# Altium PCB SEG_pressure gauge_don  V2.4.PcbDoc (part 4 of 4)
Units mil, origin at the board's own origin, x right, y up, seen from the top; angles counter-clockwise.
Board outline 2671.27 x 2667.03 mil, 2 copper layers (Top Layer, Bottom Layer); 42 components, 48 nets, 145 pads, 29 vias.
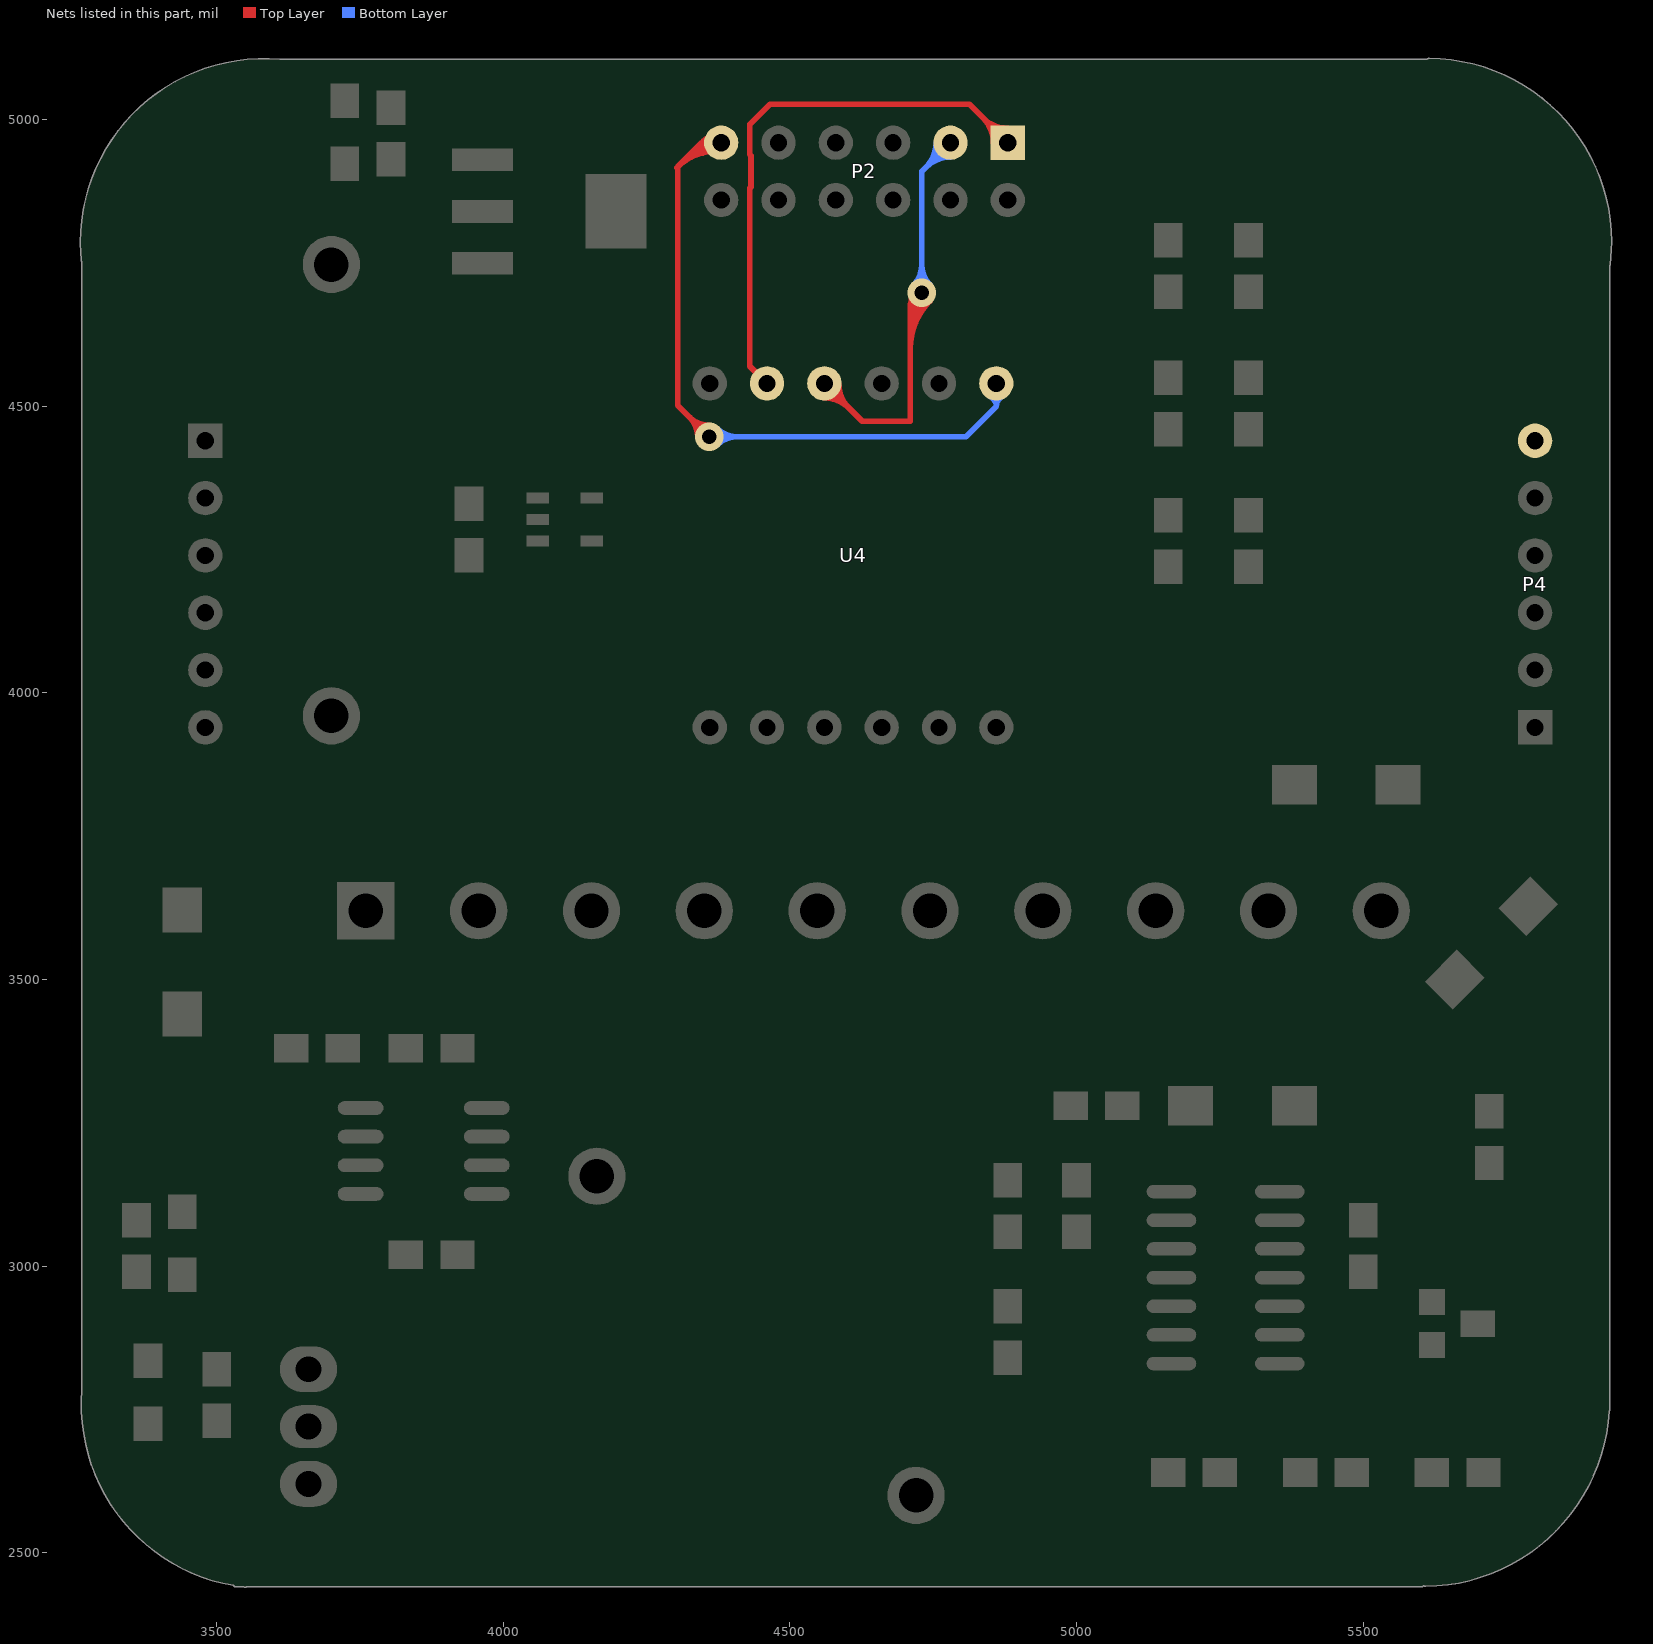
[diagram p4: the nets of this part, all layers, seen from the top]

## Via types
v1: diameter 50, hole 28, Top Layer to Bottom Layer, 21 vias
v2: diameter 31.5, hole 19.68, Top Layer to Bottom Layer, 4 vias
v3: diameter 50, hole 25, Top Layer to Bottom Layer, 2 vias
v4: diameter 31.5, hole 19.68, Top Layer to Bottom Layer, tented top, 2 vias

## Nets (pads, with @x,y where several pads share a name; then routed paths per layer and width w, separated by ;. In a path a pad name is that pad's centre, name@x,y a point inside that pad or via, vN(x,y) a via of type N, cw(c..) or ccw(c..) an arc to the next point about the centre after c; other vN are vias at no path point) (continued)
SEG9: P2.6 U4.1 | length 3938.9
  Top Layer w8: 4316.06,4930.06 cw(c4366.79,4879.34) P2.6@4378.38,4950.13 ; 4316.06,4930.06 cw(c4366.79,4879.34) P2.6@4378.38,4950.13 ; 4316.06,4930.06 cw(c4366.79,4879.34) P2.6@4378.38,4950.13 ; 4316.06,4930.06 cw(c4366.79,4879.34) P2.6@4378.38,4950.13 ; 4316.06,4930.06 cw(c4366.79,4879.34) P2.6@4378.38,4950.13 ; 4323.15,4482.85 cw(c4287.3,4447) v3@4338,4447 ; 4323.15,4482.85 ccw(c4359,4518.7) v3@4359,4468 ; 4323.15,4482.85 cw(c4287.3,4447) v3@4338,4447 ; 4323.15,4482.85 ccw(c4359,4518.7) v3@4359,4468 ; 4323.15,4482.85 cw(c4287.3,4447) v3@4338,4447 ; 4323.15,4482.85 ccw(c4359,4518.7) v3@4359,4468 ; 4323.15,4482.85 ccw(c4359,4518.7) v3@4359,4468 ; 4323.15,4482.85 cw(c4287.3,4447) v3@4338,4447 ; 4323.15,4482.85 ccw(c4359,4518.7) v3@4359,4468 ; 4323.15,4482.85 cw(c4287.3,4447) v3@4338,4447 ; 4327.09,4941.09 cw(c4369.89,4898.3) P2.6@4379.68,4958.03 ; 4327.09,4941.09 cw(c4369.89,4898.3) P2.6@4379.68,4958.03 ; 4327.09,4941.09 cw(c4369.89,4898.3) P2.6@4379.68,4958.03 ; 4327.09,4941.09 cw(c4369.89,4898.3) P2.6@4379.68,4958.03 ; 4327.09,4941.09 cw(c4369.89,4898.3) P2.6@4379.68,4958.03 ; 4336.81,4469.19 cw(c4314.62,4447) v3@4346,4447 ; 4336.81,4469.19 ccw(c4359,4491.38) v3@4359,4460 ; 4336.81,4469.19 cw(c4314.62,4447) v3@4346,4447 ; 4336.81,4469.19 ccw(c4359,4491.38) v3@4359,4460 ; 4336.81,4469.19 cw(c4314.62,4447) v3@4346,4447 ; 4336.81,4469.19 ccw(c4359,4491.38) v3@4359,4460 ; 4336.81,4469.19 ccw(c4359,4491.38) v3@4359,4460 ; 4336.81,4469.19 cw(c4314.62,4447) v3@4346,4447 ; 4336.81,4469.19 ccw(c4359,4491.38) v3@4359,4460 ; 4336.81,4469.19 cw(c4314.62,4447) v3@4346,4447 ; 4338.12,4952.12 cw(c4373,4917.25) P2.6@4380.97,4965.92 ; 4338.12,4952.12 cw(c4373,4917.25) P2.6@4380.97,4965.92 ; 4338.12,4952.12 cw(c4373,4917.25) P2.6@4380.97,4965.92 ; 4338.12,4952.12 cw(c4373,4917.25) P2.6@4380.97,4965.92 ; 4338.12,4952.12 cw(c4373,4917.25) P2.6@4380.97,4965.92
  Top Layer w10: 4302.5,4916.5 cw(c4371.99,4847.01) P2.6@4378.94,4945.04 ; 4318,4932 cw(c4374.04,4875.95) P2.6@4379.65,4955.01 ; 4333.49,4947.49 cw(c4376.09,4904.89) P2.6@4380.35,4964.99 ; v3@4339,4447 ccw(c4290.72,4447) 4324.86,4481.14 ccw(c4359,4515.28) v3@4359,4467 ; 4348.99,4962.99 cw(c4378.15,4933.83) P2.6@4381.06,4974.96 ; v3(4359,4447) 4304,4502 4304,4918 4346,4960 P2.6@4380,4960
  Bottom Layer w8: v3@4368.19,4437.81 cw(c4390.38,4415.62) 4390.38,4447 ; v3@4368.19,4437.81 cw(c4390.38,4415.62) 4390.38,4447 ; v3@4368.19,4437.81 cw(c4390.38,4415.62) 4390.38,4447 ; v3@4368.19,4437.81 cw(c4390.38,4415.62) 4390.38,4447 ; v3@4368.19,4437.81 cw(c4390.38,4415.62) 4390.38,4447 ; v3@4368.19,4456.19 ccw(c4390.38,4478.38) 4390.38,4447 ; v3@4368.19,4456.19 ccw(c4390.38,4478.38) 4390.38,4447 ; v3@4368.19,4456.19 ccw(c4390.38,4478.38) 4390.38,4447 ; v3@4368.19,4456.19 ccw(c4390.38,4478.38) 4390.38,4447 ; v3@4368.19,4456.19 ccw(c4390.38,4478.38) 4390.38,4447 ; v3@4373.85,4432.15 cw(c4409.7,4396.3) 4409.7,4447 ; v3@4373.85,4432.15 cw(c4409.7,4396.3) 4409.7,4447 ; v3@4373.85,4432.15 cw(c4409.7,4396.3) 4409.7,4447 ; v3@4373.85,4432.15 cw(c4409.7,4396.3) 4409.7,4447 ; v3@4373.85,4432.15 cw(c4409.7,4396.3) 4409.7,4447 ; v3@4373.85,4461.85 ccw(c4409.7,4497.7) 4409.7,4447 ; v3@4373.85,4461.85 ccw(c4409.7,4497.7) 4409.7,4447 ; v3@4373.85,4461.85 ccw(c4409.7,4497.7) 4409.7,4447 ; v3@4373.85,4461.85 ccw(c4409.7,4497.7) 4409.7,4447 ; v3@4373.85,4461.85 ccw(c4409.7,4497.7) 4409.7,4447 ; U4.1@4849.45,4516.24 cw(c4842.23,4500) 4860,4500 ; U4.1@4849.45,4516.24 cw(c4842.23,4500) 4860,4500 ; U4.1@4849.45,4516.24 cw(c4842.23,4500) 4860,4500 ; U4.1@4849.45,4516.24 cw(c4842.23,4500) 4860,4500 ; U4.1@4849.45,4516.24 cw(c4842.23,4500) 4860,4500 ; 4860,4500 cw(c4877.77,4500) U4.1@4870.55,4516.24 ; 4860,4500 cw(c4877.77,4500) U4.1@4870.55,4516.24 ; 4860,4500 cw(c4877.77,4500) U4.1@4870.55,4516.24 ; 4860,4500 cw(c4877.77,4500) U4.1@4870.55,4516.24 ; 4860,4500 cw(c4877.77,4500) U4.1@4870.55,4516.24
  Bottom Layer w10: v3(4359,4447) 4807,4447 4860,4500 ; v3@4373.14,4432.86 cw(c4407.28,4398.72) 4407.28,4447 cw(c4407.28,4495.28) v3@4373.14,4461.14 ; U4.1@4849.05,4517.53 cw(c4840.5,4500) 4860,4500 ; U4.1@4860,4540 4860,4500 ; U4.1@4870.95,4517.53 ccw(c4879.5,4500) 4860,4500
SEG10: P2.2 U4.2 | length 5215
  Top Layer w8: U4.2@4560,4514 cw(c4560,4451.23) 4604.38,4495.62 ; U4.2@4560,4514 cw(c4560,4451.23) 4604.38,4495.62 ; U4.2@4560,4514 cw(c4560,4451.23) 4604.38,4495.62 ; U4.2@4560,4514 cw(c4560,4451.23) 4604.38,4495.62 ; U4.2@4560,4514 cw(c4560,4451.23) 4604.38,4495.62 ; U4.2@4560,4522 cw(c4560,4478.54) 4590.73,4509.27 ; U4.2@4560,4522 cw(c4560,4478.54) 4590.73,4509.27 ; U4.2@4560,4522 cw(c4560,4478.54) 4590.73,4509.27 ; U4.2@4560,4522 cw(c4560,4478.54) 4590.73,4509.27 ; U4.2@4560,4522 cw(c4560,4478.54) 4590.73,4509.27 ; U4.2@4578,4540 ccw(c4621.46,4540) 4590.73,4509.27 ; U4.2@4578,4540 ccw(c4621.46,4540) 4590.73,4509.27 ; U4.2@4578,4540 ccw(c4621.46,4540) 4590.73,4509.27 ; U4.2@4578,4540 ccw(c4621.46,4540) 4590.73,4509.27 ; U4.2@4578,4540 ccw(c4621.46,4540) 4590.73,4509.27 ; U4.2@4586,4540 ccw(c4648.77,4540) 4604.38,4495.62 ; U4.2@4586,4540 ccw(c4648.77,4540) 4604.38,4495.62 ; U4.2@4586,4540 ccw(c4648.77,4540) 4604.38,4495.62 ; U4.2@4586,4540 ccw(c4648.77,4540) 4604.38,4495.62 ; U4.2@4586,4540 ccw(c4648.77,4540) 4604.38,4495.62 ; 4710,4599.02 cw(c4828.98,4599.02) v3@4744.85,4683.15 ; 4710,4599.02 cw(c4828.98,4599.02) v3@4744.85,4683.15 ; 4710,4599.02 cw(c4828.98,4599.02) v3@4744.85,4683.15 ; 4710,4599.02 cw(c4828.98,4599.02) v3@4744.85,4683.15 ; 4710,4599.02 cw(c4828.98,4599.02) v3@4744.85,4683.15 ; 4710,4618.33 cw(c4809.67,4618.33) v3@4739.19,4688.81 ; 4710,4618.33 cw(c4809.67,4618.33) v3@4739.19,4688.81 ; 4710,4618.33 cw(c4809.67,4618.33) v3@4739.19,4688.81 ; 4710,4618.33 cw(c4809.67,4618.33) v3@4739.19,4688.81 ; 4710,4618.33 cw(c4809.67,4618.33) v3@4739.19,4688.81 ; 4710,4637.64 cw(c4790.36,4637.64) v3@4733.54,4694.46 ; 4710,4637.64 cw(c4790.36,4637.64) v3@4733.54,4694.46 ; 4710,4637.64 cw(c4790.36,4637.64) v3@4733.54,4694.46 ; 4710,4637.64 cw(c4790.36,4637.64) v3@4733.54,4694.46 ; 4710,4637.64 cw(c4790.36,4637.64) v3@4733.54,4694.46 ; 4710,4656.96 cw(c4771.04,4656.96) v3@4727.88,4700.12 ; 4710,4656.96 cw(c4771.04,4656.96) v3@4727.88,4700.12 ; 4710,4656.96 cw(c4771.04,4656.96) v3@4727.88,4700.12 ; 4710,4656.96 cw(c4771.04,4656.96) v3@4727.88,4700.12 ; 4710,4656.96 cw(c4771.04,4656.96) v3@4727.88,4700.12 ; 4710,4676.27 cw(c4751.73,4676.27) v3@4722.22,4705.78 ; 4710,4676.27 cw(c4751.73,4676.27) v3@4722.22,4705.78 ; 4710,4676.27 cw(c4751.73,4676.27) v3@4722.22,4705.78 ; 4710,4676.27 cw(c4751.73,4676.27) v3@4722.22,4705.78 ; 4710,4676.27 cw(c4751.73,4676.27) v3@4722.22,4705.78
  Top Layer w10: U4.2@4560,4515 cw(c4560,4454.64) 4602.68,4497.32 cw(c4645.36,4540) U4.2@4585,4540 ; U4.2@4560,4525 cw(c4560,4488.79) 4585.61,4514.39 cw(c4611.21,4540) U4.2@4575,4540 ; U4.2@4560,4540 4626,4474 4710,4474 4710,4678 v3(4730,4698) ccw(c4778.28,4649.72) 4710,4649.72 ; 4710,4601.43 cw(c4826.57,4601.43) v3@4744.14,4683.86 ; 4710,4625.57 cw(c4802.43,4625.57) v3@4737.07,4690.93 ; 4710,4673.86 cw(c4754.14,4673.86) v3@4722.93,4705.07
  Bottom Layer w8: v3@4715.15,4712.85 ccw(c4679.3,4748.7) 4730,4748.7 ; v3@4715.15,4712.85 ccw(c4679.3,4748.7) 4730,4748.7 ; v3@4715.15,4712.85 ccw(c4679.3,4748.7) 4730,4748.7 ; v3@4715.15,4712.85 ccw(c4679.3,4748.7) 4730,4748.7 ; v3@4715.15,4712.85 ccw(c4679.3,4748.7) 4730,4748.7 ; v3@4720.81,4707.19 ccw(c4698.62,4729.38) 4730,4729.38 ; v3@4720.81,4707.19 ccw(c4698.62,4729.38) 4730,4729.38 ; v3@4720.81,4707.19 ccw(c4698.62,4729.38) 4730,4729.38 ; v3@4720.81,4707.19 ccw(c4698.62,4729.38) 4730,4729.38 ; v3@4720.81,4707.19 ccw(c4698.62,4729.38) 4730,4729.38 ; 4730,4729.38 ccw(c4761.38,4729.38) v3@4739.19,4707.19 ; 4730,4729.38 ccw(c4761.38,4729.38) v3@4739.19,4707.19 ; 4730,4729.38 ccw(c4761.38,4729.38) v3@4739.19,4707.19 ; 4730,4729.38 ccw(c4761.38,4729.38) v3@4739.19,4707.19 ; 4730,4729.38 ccw(c4761.38,4729.38) v3@4739.19,4707.19 ; 4730,4748.7 ccw(c4780.7,4748.7) v3@4744.85,4712.85 ; 4730,4748.7 ccw(c4780.7,4748.7) v3@4744.85,4712.85 ; 4730,4748.7 ccw(c4780.7,4748.7) v3@4744.85,4712.85 ; 4730,4748.7 ccw(c4780.7,4748.7) v3@4744.85,4712.85 ; 4730,4748.7 ccw(c4780.7,4748.7) v3@4744.85,4712.85 ; 4735.62,4915.62 cw(c4780,4871.23) P2.2@4780,4934 ; 4735.62,4915.62 ccw(c4691.23,4960) P2.2@4754,4960 ; 4735.62,4915.62 cw(c4780,4871.23) P2.2@4780,4934 ; 4735.62,4915.62 ccw(c4691.23,4960) P2.2@4754,4960 ; 4735.62,4915.62 cw(c4780,4871.23) P2.2@4780,4934 ; 4735.62,4915.62 ccw(c4691.23,4960) P2.2@4754,4960 ; 4735.62,4915.62 ccw(c4691.23,4960) P2.2@4754,4960 ; 4735.62,4915.62 cw(c4780,4871.23) P2.2@4780,4934 ; 4735.62,4915.62 ccw(c4691.23,4960) P2.2@4754,4960 ; 4735.62,4915.62 cw(c4780,4871.23) P2.2@4780,4934 ; 4749.27,4929.27 cw(c4780,4898.54) P2.2@4780,4942 ; 4749.27,4929.27 ccw(c4718.54,4960) P2.2@4762,4960 ; 4749.27,4929.27 cw(c4780,4898.54) P2.2@4780,4942 ; 4749.27,4929.27 ccw(c4718.54,4960) P2.2@4762,4960 ; 4749.27,4929.27 cw(c4780,4898.54) P2.2@4780,4942 ; 4749.27,4929.27 ccw(c4718.54,4960) P2.2@4762,4960 ; 4749.27,4929.27 ccw(c4718.54,4960) P2.2@4762,4960 ; 4749.27,4929.27 cw(c4780,4898.54) P2.2@4780,4942 ; 4749.27,4929.27 ccw(c4718.54,4960) P2.2@4762,4960 ; 4749.27,4929.27 cw(c4780,4898.54) P2.2@4780,4942
  Bottom Layer w10: v3@4715.86,4712.14 ccw(c4681.72,4746.28) 4730,4746.28 ccw(c4778.28,4746.28) v3@4744.14,4712.14 ; v3(4730,4698) 4730,4910 P2.2@4780,4960 ; P2.2@4755,4960 cw(c4694.64,4960) 4737.32,4917.32 cw(c4780,4874.64) P2.2@4780,4935 ; P2.2@4765,4960 cw(c4728.79,4960) 4754.39,4934.39 cw(c4780,4908.79) P2.2@4780,4945
SEG11: P2.1 U4.3 | length 1944.3
  Top Layer w8: 4835.62,5004.38 cw(c4791.23,4960) P2.1@4854,4960 ; 4835.62,5004.38 ccw(c4880,5048.77) P2.1@4880,4986 ; 4835.62,5004.38 cw(c4791.23,4960) P2.1@4854,4960 ; 4835.62,5004.38 ccw(c4880,5048.77) P2.1@4880,4986 ; 4835.62,5004.38 cw(c4791.23,4960) P2.1@4854,4960 ; 4835.62,5004.38 ccw(c4880,5048.77) P2.1@4880,4986 ; 4835.62,5004.38 ccw(c4880,5048.77) P2.1@4880,4986 ; 4835.62,5004.38 cw(c4791.23,4960) P2.1@4854,4960 ; 4835.62,5004.38 ccw(c4880,5048.77) P2.1@4880,4986 ; 4835.62,5004.38 cw(c4791.23,4960) P2.1@4854,4960 ; 4849.27,4990.73 cw(c4818.54,4960) P2.1@4862,4960 ; 4849.27,4990.73 ccw(c4880,5021.46) P2.1@4880,4978 ; 4849.27,4990.73 cw(c4818.54,4960) P2.1@4862,4960 ; 4849.27,4990.73 ccw(c4880,5021.46) P2.1@4880,4978 ; 4849.27,4990.73 cw(c4818.54,4960) P2.1@4862,4960 ; 4849.27,4990.73 ccw(c4880,5021.46) P2.1@4880,4978 ; 4849.27,4990.73 ccw(c4880,5021.46) P2.1@4880,4978 ; 4849.27,4990.73 cw(c4818.54,4960) P2.1@4862,4960 ; 4849.27,4990.73 ccw(c4880,5021.46) P2.1@4880,4978 ; 4849.27,4990.73 cw(c4818.54,4960) P2.1@4862,4960
  Top Layer w10: U4.3@4460,4540 4430,4570 4430,4880.71 4432,4882.71 4432,4937.29 4430,4939.29 4430,4992 4465,5027 4813,5027 P2.1@4880,4960 ; P2.1@4855,4960 ccw(c4794.64,4960) 4837.32,5002.68 ccw(c4880,5045.36) P2.1@4880,4985 ; P2.1@4865,4960 ccw(c4828.79,4960) 4854.39,4985.61 ccw(c4880,5011.21) P2.1@4880,4975
TX: P4.6
pads on no net: P2.3 U2.4 U4.6 U5.5 U5.6 U5.7

## Polygon pours and split planes (outlines as drawn)
CHUAN- on Top Layer "Bottom Layer-No Net" (solid, remove dead copper, pour order 1000): 4615.58,1219.58 5005.58,1609.58 6515.58,1609.58 6515.58,3095.58 7059.58,3639.58 6564.58,4134.58 6564.58,5417.58 2853.58,5417.58 2821.58,5449.58 2675.58,5303.58 2675.58,1934.58
CHUAN- on Bottom Layer "Bottom Layer-No Net" (solid, remove dead copper, pour order 1001): 6567.03,5347.56 6567.03,3200.56 6622.03,3145.56 6467.03,2990.56 6467.03,2053.56 3256.03,2053.56 3206.03,2003.56 2646.03,2563.56 2646.03,4726.56 2646.03,5474.56 2846.03,5674.56

## Keep-outs
Keep-Out Layer:
  lines w10: 3270.18,4743 cw(c3582.1,4786.67) 3625.77,5098.58 ; 3270.24,2789.28 ccw(c3583.65,2758.16) 3550,2445 ; 5609,2446.18 ccw(c5604.95,2765.95) 5924.72,2770 ; 5615,5102 cw(c5613.42,4787.04) 5925.85,4747.26
  lines w11.81: 3270.18,2786 3270.18,4747 ; 3534,2446.18 5601,2446.18 ; 3612,5099.72 5624,5099.72 ; 5924.72,2751 5924.72,4818

## Other copper
Bottom Layer:
  text "Gauge_TV2.4" at 4545,2663 h60

## Silkscreen, mask and mechanical layers (free items; w line width, h text height)
Bottom Overlay:
  lines w10: 4937,3541 4935.99,3367.29 4960,3343 ; 4983.02,3337.65 5092.22,3337.02 ; 5114,3348 5134.02,3367.78 5135,3537
  text "传感地" at 3992,3348 h120 r90
  text "信号+" at 4187,3348 h120 r90
  text "信号-" at 4386,3348 h120 r90
  text "传感器电源" at 3782,3345 h120 r90
  text "模拟量输出" at 5074,3285 h120 r90
  text "GND" at 5359,3282 h120 r90
  text "24V" at 5588,3277 h120 r90
  text "2013.9.28" at 4537,2565 h60
Drill Drawing:
  text ".LEGEND" at 630.91,5965 h60
  text "Drill Drawing." at 630.91,5865 h60

## Text inside footprints (layer, text, board x,y; h text height)
P2: Top Overlay "7" at 4980,4880 h50 r180; Top Overlay "1" at 4980,4980 h50 r180; Top Overlay "6" at 4300,4980 h50 r180; Top Overlay "12" at 4300,4880 h50 r180